# Altium PCB Hexapod_motherboard.PcbDoc (part 1 of 2) (continued)
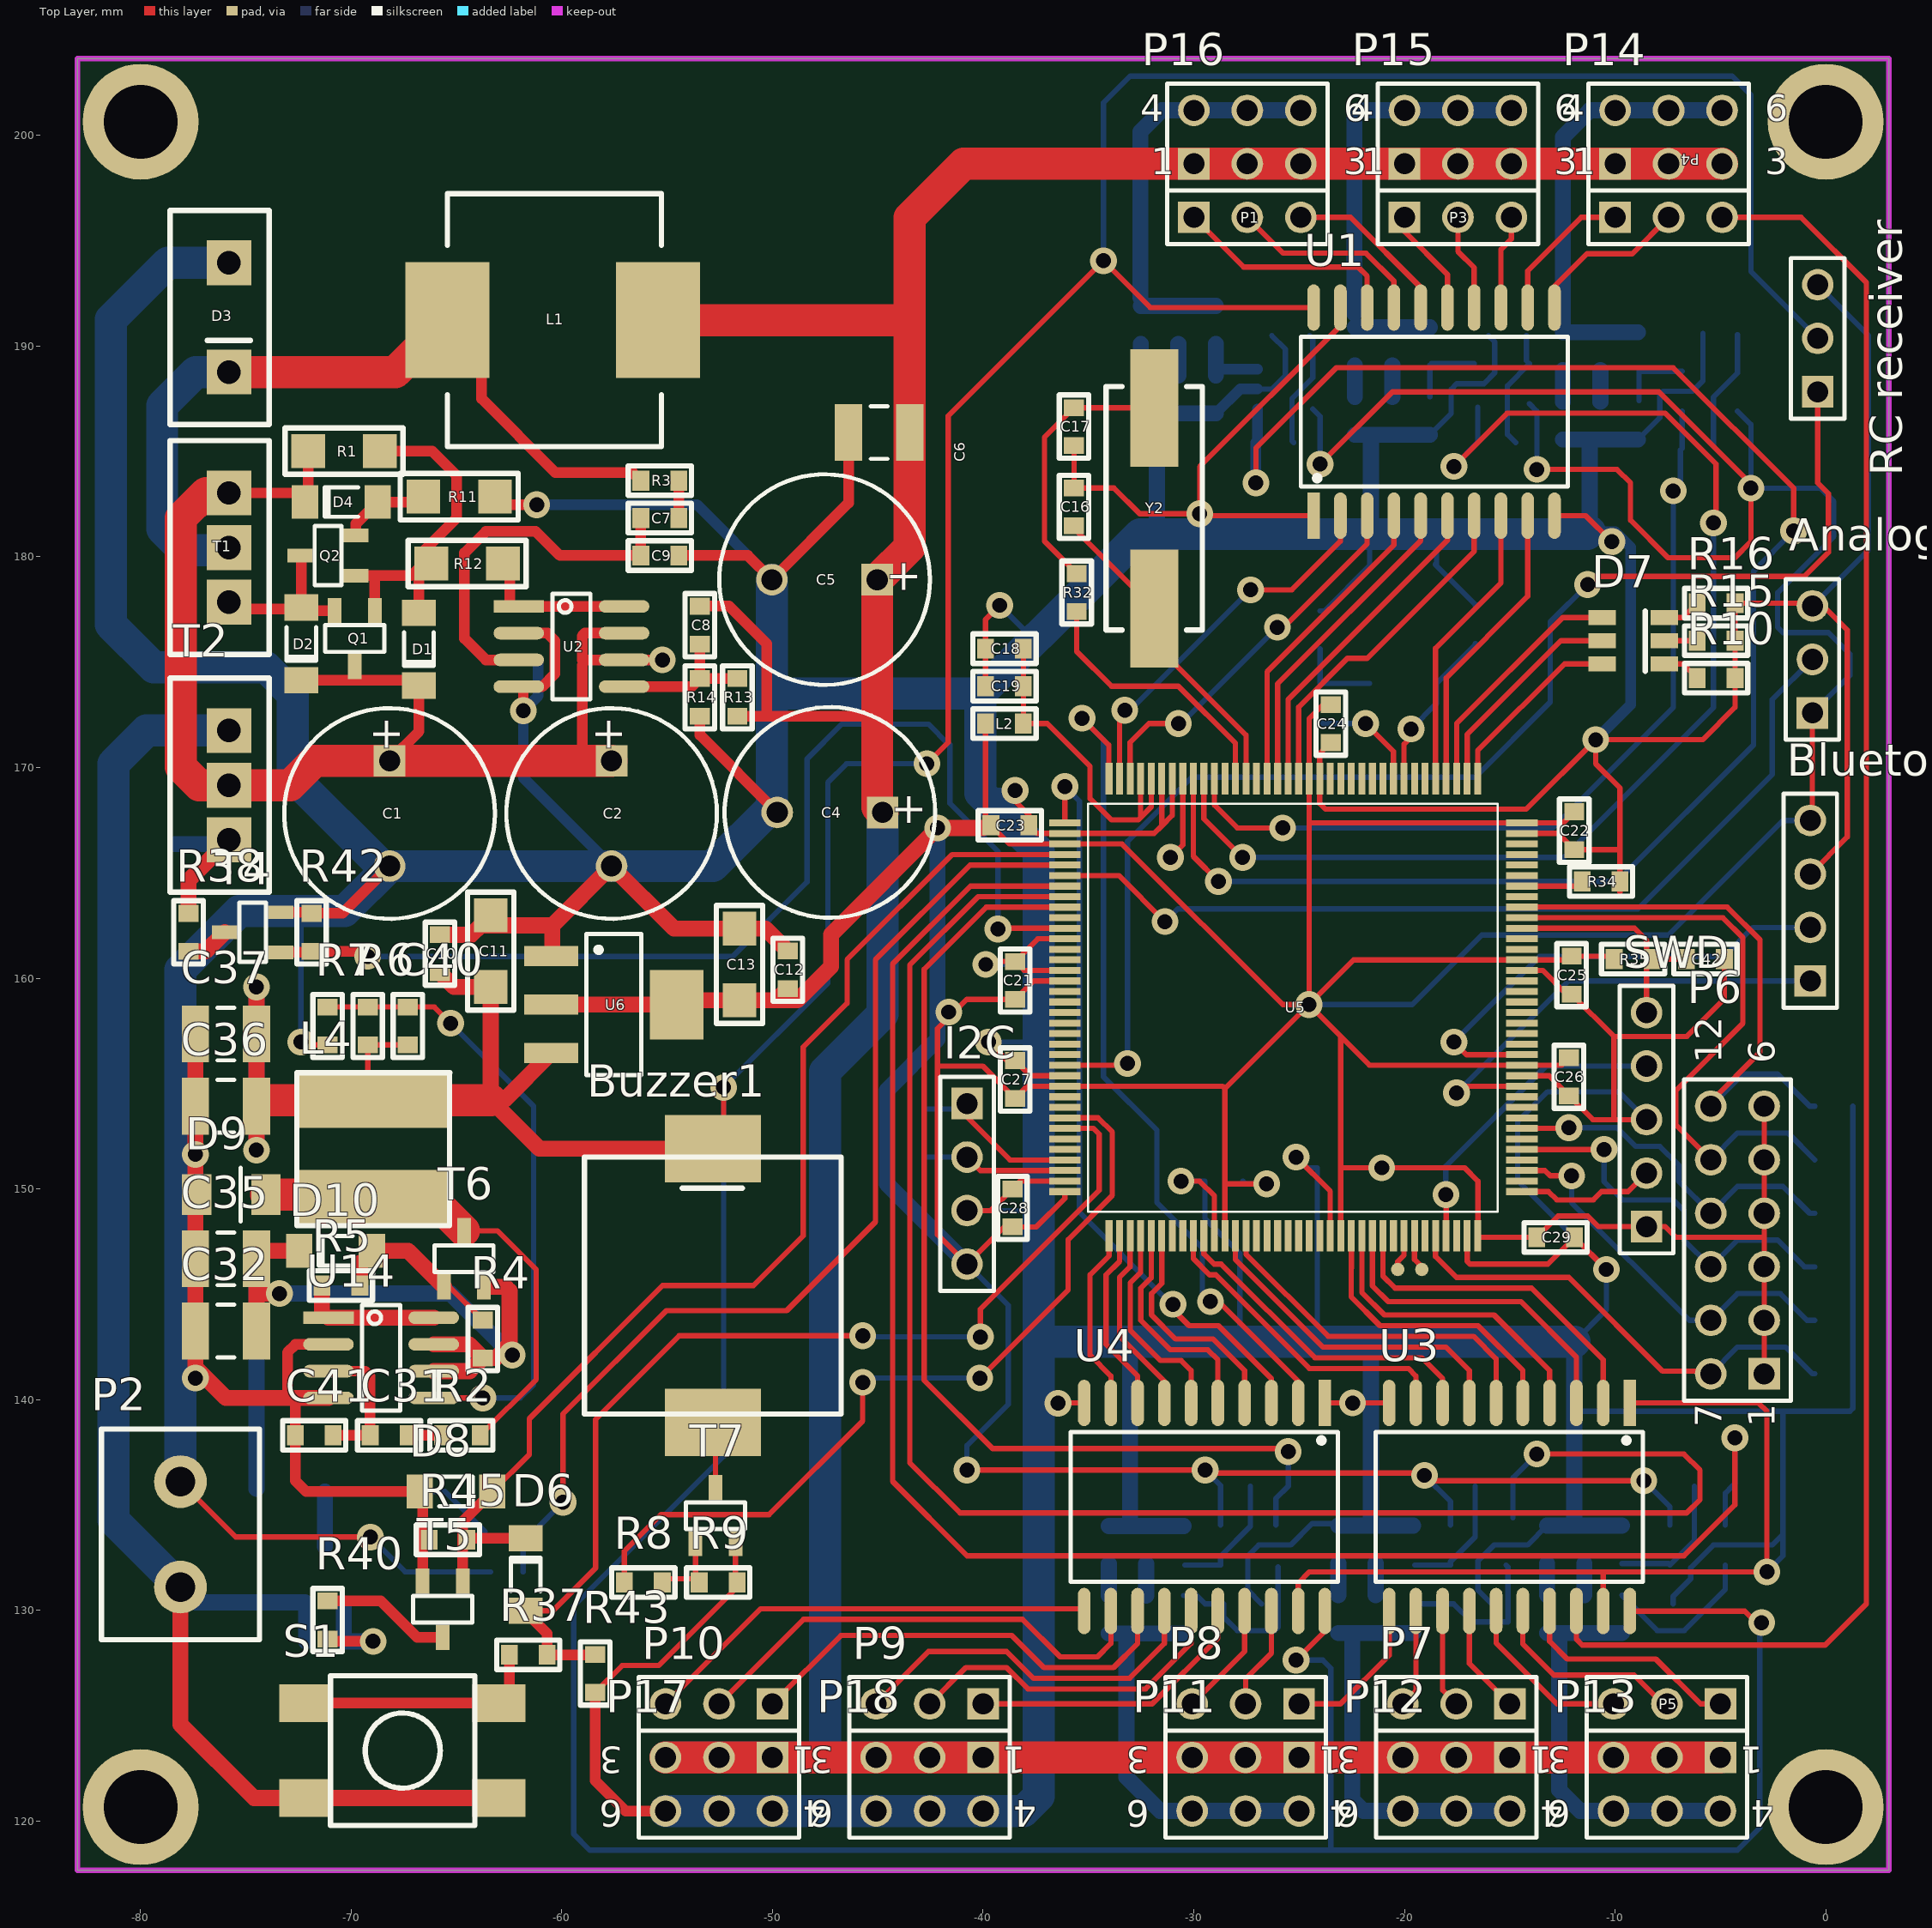
[diagram p0: Top Layer view]
## Components (designator, comment, footprint, x,y, rotation, side; value= is the part's Value field where it differs from the comment)
Analog "Header 3" HDR1X3 -0.635,172.593 r90 top
Bluetooth1 "Header 4" HDR1X4 -0.739,159.869 r90 top
Buzzer1 "Buzzer" "SMD Buzzer" -52.832,145.415 r0 top
C1 "1000uF" cap_10x12 -68.179,167.87 r180 top
C2 "1000uF" cap_10x12 -57.638,167.87 r180 top
C3 "22uF" FP_1210_CAP_N -59.67,175.109 r0 bottom
C4 "1000uF" cap_10x12 -47.224,167.87 r90 top
C5 "1000uF" cap_10x12 -47.478,178.919 r90 top
C6 "22uF" FP_1210_CAP_N -44.938,185.904 r0 top
C7 "100pF" FP_0603_CAP_080 -55.352,181.84 r180 top
C8 "4n7" FP_0603_CAP_080 -53.447,176.76 r90 top
C9 "470pF" FP_0603_CAP_080 -55.352,180.062 r0 top
C10 "100nF" FP_0603_CAP_080 -65.786,161.163 r270 top
C11 "10uF" FP_1206_CAP_085 -63.373,161.29 r90 top
C12 "100nF" FP_0603_CAP_080 -49.276,160.401 r90 top
C13 "10uF" FP_1206_CAP_085 -51.562,160.655 r270 top
C14 "12p" FP_0603_CAP_080 -16.637,176.784 r270 bottom
C15 "12p" FP_0603_CAP_080 -24.003,176.53 r270 bottom
C16 "22p" FP_0603_CAP_080 -35.687,182.372 r270 top
C17 "22p" FP_0603_CAP_080 -35.687,186.182 r90 top
C18 "10n" FP_0603_CAP_080 -38.989,175.641 r0 top
C19 "1u 6V" FP_0603_CAP_080 -38.989,173.863 r0 top
C20 "1uF" FP_0603_CAP_080 -28.575,150.368 r0 bottom
C21 "1uF" FP_0603_CAP_080 -38.481,159.893 r270 top
C22 "1uF" FP_0603_CAP_080 -11.938,167.005 r90 top
C23 "1uF" FP_0603_CAP_080 -38.735,167.259 r180 top
C24 "1uF" FP_0603_CAP_080 -23.495,172.085 r90 top
C25 "1uF" FP_0603_CAP_080 -12.065,160.147 r90 top
C26 "1uF" FP_0603_CAP_080 -12.192,155.321 r90 top
C27 "1uF" FP_0603_CAP_080 -38.481,155.194 r270 top
C28 "1uF" FP_0603_CAP_080 -38.608,149.098 r270 top
C29 "1uF" FP_0603_CAP_080 -12.827,147.701 r180 top
C30 "1uF" FP_0603_CAP_080 -23.241,151.003 r0 bottom
C31 "100pF" FP_0603_CAP_080 -68.199,138.303 r180 top
C32 "22uF" C1210_N -75.946,143.256 r0 top
C33 "22uF" C1210_N -75.946,143.256 r0 bottom
C34 "22uF" C1210_N -75.946,146.685 r0 bottom
C35 "22uF" C1210_N -75.946,146.685 r0 top
C36 "22uF" C1210_N -75.946,153.924 r0 top
C37 "22uF" C1210_N -75.946,157.353 r0 top
C38 "22uF" C1210_N -75.946,157.353 r0 bottom
C39 "22uF" C1210_N -75.946,153.924 r0 bottom
C40 "4n7" FP_0603_CAP_080 -67.31,157.734 r270 top
C41 "470pF" FP_0603_CAP_080 -71.755,138.303 r180 top
C42 "100nF" FP_0603_CAP_080 -5.715,160.909 r0 top
C46 "100nF" FP_0603_CAP_080 -27.686,130.307 r180 bottom
C47 "100nF" FP_0603_CAP_080 -6.35,130.307 r0 bottom
C48 "100nF" FP_0603_CAP_080 -28.956,187.711 r90 bottom
C49 "100nF" FP_0603_CAP_080 -16.764,130.307 r180 bottom
C50 "100nF" FP_0603_CAP_080 -8.918,186.463 r90 bottom
C51 "100nF" FP_0603_CAP_080 -18.796,186.695 r90 bottom
D1 "18V" SOD-80 -66.782,175.744 r180 top
D2 "18V" SOD-80 -72.37,175.998 r180 top
D3 "SCHOTTKY" DIODE_TO220 -75.799,191.365 r90 top
D4 "18V" SOD-80 -70.338,182.602 r90 top
D5 "SS26L" subsma -72.771,135.763 r270 bottom
D6 "LL4148" SOD-80 -61.722,131.572 r0 top
D7 "LED_RGB_6_PIN" LED_PLCC-6 -9.144,176.022 r0 top
D8 "ZENER 3V3" sod-80 -65.151,135.636 r270 top
D9 "SS26L" subsma -75.692,149.733 r270 top
D10 "18V" SOD-80 -70.612,147.066 r90 top
I2C "Header 4" HDR1X4 -40.767,154.051 r270 top
L1 "100uH" SRR1206_T -60.432,191.238 r0 top
L2 "fbead" FP_0603_IND -38.989,172.085 r0 top
L4 "470uH" INDUCTOR_6,6X6,6mm -68.961,151.892 r180 top
P1 "Header 3" HDR1X3 -30,196.115 r0 top locked
P2 "Header 2" "Sorkapocs 2P 5mm" -78.105,133.604 r90 top
P3 "Header 3" HDR1X3 -20,196.115 r0 top locked
P4 "Header 3" HDR1X3 -10,196.115 r0 top locked
P5 "Header 3" HDR1X3 -5,125.557 r180 top locked
P6 "Header 6X2A" HDR2X6_CEN -2.921,141.224 r90 top
P7 "Header 3" HDR1X3 -15,125.557 r180 top locked
P8 "Header 3" HDR1X3 -25,125.557 r180 top locked
P9 "Header 3" HDR1X3 -40,125.557 r180 top locked
P10 "Header 3" HDR1X3 -50,125.557 r180 top locked
P11 "Header 3X2A" HDR2X3_CEN -25,123.017 r180 top locked
P12 "Header 3X2A" HDR2X3_CEN -15,123.017 r180 top locked
P13 "Header 3X2A" HDR2X3_CEN -5,123.017 r180 top locked
P14 "Header 3X2A" HDR2X3_CEN -10,198.655 r0 top locked
P15 "Header 3X2A" HDR2X3_CEN -20,198.655 r0 top locked
P16 "Header 3X2A" HDR2X3_CEN -30,198.655 r0 top locked
P17 "Header 3X2A" HDR2X3_CEN -50,123.017 r180 top locked
P18 "Header 3X2A" HDR2X3_CEN -40,123.017 r180 top locked
Q1 "NPN" TR_SOT23 -69.83,176.125 r90 top
Q2 "PNP" TR_SOT23 -71.1,180.062 r0 top
R1 "1k" FP_1206_RES -70.338,185.015 r180 top
R2 "150k" FP_0603_RES -64.77,138.303 r180 top
R3 "150k" FP_0603_RES -55.352,183.618 r0 top
R4 "1k" FP_0603_RES -63.754,142.875 r270 top
R5 "100R" FP_0603_RES -70.485,145.415 r0 top
R6 "3k6" FP_0603_RES -69.215,157.734 r270 top
R7 "1k2" FP_0603_RES -71.12,157.734 r90 top
R8 "1k" FP_0603_RES -56.134,131.318 r0 top
R9 "100k" FP_0603_RES -52.578,131.318 r180 top
R10 "1k" FP_0603_RES -5.207,174.244 r0 top
R11 "220R" FP_1206_RES -64.877,182.856 r180 top
R12 "100R" FP_1206_RES -64.496,179.681 r180 top
R13 "3k6" FP_0603_RES -51.669,173.331 r270 top
R14 "1k2" FP_0603_RES -53.447,173.331 r90 top
R15 "1k" FP_0603_RES -5.207,176.022 r0 top
R16 "1k" FP_0603_RES -5.207,177.8 r0 top
R17 "10k" FP_0603_RES 0.37,141.224 r0 bottom
R18 "10k" FP_0603_RES 0.37,143.764 r0 bottom
R19 "10k" FP_0603_RES 0.37,146.304 r0 bottom
R20 "10k" FP_0603_RES 0.37,148.844 r0 bottom
R21 "10k" FP_0603_RES 0.37,151.384 r0 bottom
R22 "10k" FP_0603_RES 0.381,153.924 r0 bottom
R23 "10k" FP_0603_RES -43.688,151.511 r180 bottom
R24 "10k" FP_0603_RES -43.688,153.797 r180 bottom
R31 "390R" FP_0603_RES -24.003,173.101 r90 bottom
R32 "390R" FP_0603_RES -35.56,178.308 r90 top
R34 "10k" FP_0603_RES -10.668,164.592 r0 top
R35 "10k" FP_0603_RES -9.144,160.909 r180 top
R36 "100k" FP_0603_RES -79.248,166.37 r180 bottom
R37 "10k" FP_0603_RES -61.595,127.889 r0 top
R38 "1k" FP_0603_RES -77.724,162.179 r90 top
R39 "100k" FP_0603_RES -71.247,128.524 r180 bottom
R40 "1k" FP_0603_RES -71.12,129.54 r90 top
R41 "10k" FP_0603_RES -62.738,133.731 r0 bottom
R42 "100k" FP_0603_RES -71.882,162.179 r270 top
R43 "100k" FP_0603_RES -58.42,127 r270 top
R44 "10k" FP_0603_RES -62.738,131.826 r180 bottom
R45 "100k" FP_0603_RES -65.405,133.35 r0 top
R46 "0.1R" FP_0603_RES -34.036,129.799 r270 bottom
R47 "0.1R" FP_0603_RES -32.258,129.799 r270 bottom
R48 "0.1R" FP_0603_RES -11.458,129.821 r270 bottom
R49 "0.1R" FP_0603_RES -13.236,129.821 r270 bottom
R50 "0.1R" FP_0603_RES -32.512,191.013 r90 bottom
R51 "0.1R" FP_0603_RES -30.734,191.013 r90 bottom
R52 "1k" FP_0603_RES -30.48,129.799 r270 bottom
R53 "0.1R" FP_0603_RES -34.036,133.101 r270 bottom
R54 "0.1R" FP_0603_RES -32.258,133.101 r270 bottom
R55 "1k" FP_0603_RES -28.956,191.013 r90 bottom
R56 "0.1R" FP_0603_RES -11.458,133.123 r270 bottom
R57 "0.1R" FP_0603_RES -13.236,133.123 r270 bottom
R58 "1k" FP_0603_RES -9.68,129.821 r270 bottom
R59 "0.1R" FP_0603_RES -32.512,187.711 r90 bottom
R60 "0.1R" FP_0603_RES -30.734,187.711 r90 bottom
R61 "4k" FP_0603_RES -26.416,135.895 r0 bottom
R62 "1k" FP_0603_RES -30.48,133.101 r270 bottom
R63 "4k" FP_0603_RES -5.334,135.895 r0 bottom
R64 "4k" FP_0603_RES -26.416,185.425 r180 bottom
R65 "1k" FP_0603_RES -9.68,133.123 r270 bottom
R66 "1k" FP_0603_RES -25.4,190.505 r0 bottom
R67 "0.1R" FP_0603_RES -23.142,129.821 r270 bottom
R68 "0.1R" FP_0603_RES -21.364,129.821 r270 bottom
R69 "0.1R" FP_0603_RES -10.696,189.765 r90 bottom
R70 "0.1R" FP_0603_RES -12.474,189.765 r90 bottom
R71 "0.1R" FP_0603_RES -20.574,189.997 r90 bottom
R72 "0.1R" FP_0603_RES -22.352,189.997 r90 bottom
R73 "1k" FP_0603_RES -19.586,129.821 r270 bottom
R74 "1k" FP_0603_RES -8.918,189.765 r90 bottom
R75 "1k" FP_0603_RES -18.796,189.997 r90 bottom
R76 "0.1R" FP_0603_RES -23.142,133.123 r270 bottom
R77 "0.1R" FP_0603_RES -21.364,133.123 r270 bottom
R78 "0.1R" FP_0603_RES -10.696,186.463 r90 bottom
R79 "0.1R" FP_0603_RES -12.474,186.463 r90 bottom
R80 "0.1R" FP_0603_RES -20.574,186.695 r90 bottom
R81 "0.1R" FP_0603_RES -22.352,186.695 r90 bottom
R82 "4k" FP_0603_RES -15.748,135.895 r0 bottom
R83 "4k" FP_0603_RES -5.997,185.066 r180 bottom
R84 "4k" FP_0603_RES -15.748,185.679 r180 bottom
R85 "1k" FP_0603_RES -19.586,133.123 r270 bottom
R86 "1k" FP_0603_RES -4.981,190.654 r0 bottom
R87 "1k" FP_0603_RES -15.113,190.505 r0 bottom
"RC receiver" "Header 3" HDR1X3 -0.381,187.833 r90 top
S1 "Button" "BUTTON_6X6 _SMD" -67.564,123.317 r180 top
SWD "Header 5" HDR1X5 -8.509,148.209 r90 top
T1 "IRF4905" FET_TO220 -75.799,180.443 r90 top
T2 "IRF4905" FET_TO220 -75.799,169.164 r90 top
T3 "IRLML2244" FET_SOT23 -71.247,131.699 r270 bottom
T4 "NMOS" FET_SOT23 -74.676,162.179 r0 top
T5 "NMOS" FET_SOT23 -65.659,130.048 r90 top
T6 "IRLML2244" FET_SOT23 -64.643,146.685 r270 top
T7 "NMOS" FET_SOT23 -52.705,134.493 r270 top
U1 "74HC541" DIGITAL_SOIC20W -18.595,186.895 r180 top
U2 "MC34063A" FP_SO8_MS012AA -59.543,175.744 r0 top
U3 "74HC541" DIGITAL_SOIC20W -15.014,134.901 r0 top
U4 "74HC541" DIGITAL_SOIC20W -29.492,134.901 r0 top
U5 "STM32F103Z*" LQFP144 -25.273,158.623 r180 top
U6 "LD1117xx" SUPPLY_SOT223 -57.531,158.75 r0 top
U8 "MCP6001R" ANALOG_SOT23-5 -27.432,133.101 r180 bottom
U9 "MCP6001R" ANALOG_SOT23-5 -6.096,133.101 r180 bottom
U10 "MCP6001R" ANALOG_SOT23-5 -25.654,187.965 r0 bottom
U11 "MCP6001R" ANALOG_SOT23-5 -16.51,133.101 r180 bottom
U12 "MCP6001R" ANALOG_SOT23-5 -5.489,187.86 r0 bottom
U13 "MCP6001R" ANALOG_SOT23-5 -15.367,188.219 r0 bottom
U14 "MC34063A" FP_SO8_MS012AA -68.58,141.986 r0 top
Y1 "Quartz 32.768 kHz" XTAL_ABS25 -20.066,176.784 r90 bottom
Y2 "8MHz Quartz HC49" FP_CRYSTAL_HC49_SMD -31.877,187.071 r270 top

## Footprints (in the part's own frame and the unit in brackets; to place one, negate y for a bottom-side part, rotate by r counter-clockwise, add the part's x,y. Pads: shape width x height; smd on the part's side, far side on the other; paste and mask are expansions set on the pad)
ANALOG_SOT23-5 [mm] "SOT23, 5-Leads, Body 2.9x1.6mm, Pitch 0.95mm, Lead Span 2.8mm, IPC Medium Density"
  rect 1.2x0.55 smd mask+0.05: 1(-1.327,0.95) 2(-1.327,0) 3(-1.327,-0.95) 4(1.3,-0.95) 5(1.3,0.95)
  silkscreen extent -0.64,-1.55 0.64,1.55, body extent -1.17,-1.46 1.17,1.46, height 1
"BUTTON_6X6 _SMD" [mil]
  rect 100x70 smd: 1(-180,87.57) 1(180,87.57) 2(-180,-89.59) 2(180,-89.59)
  silkscreen extent -135,-141 135,139, body extent -160,-118 160,118, height 197
C1210_N [mm] "Chip Capacitor, Body 3.2x2.5mm, IPC Medium Density"
  rect 1.3x2.7 smd: 1(-1.45,0) 2(1.45,0)
  silkscreen extent -0.4,-1.25 0.4,1.25, body extent -1.7,-1.35 1.7,1.35, height 1.5
cap_10x12 [mm] "height: any, dia:10 RM5.0"
  round 1.5 hole 1: N(0,2.551)
  rect 1.5x1.5 hole 1: P(0,-2.449)
  silkscreen extent -5,-4.95 5,5.05, body extent -5.06,-5.04 5.06,5.08, height 12.7
DIGITAL_SOIC20W [mm]
  rect 0.6x2.2 smd: 1(5.715,4.94)
  oval 0.6x2.2 smd: 2(4.445,4.94) 3(3.175,4.94) 4(1.905,4.94) 5(0.635,4.94) 6(-0.635,4.94) 7(-1.905,4.94) 8(-3.175,4.94) 9(-4.445,4.94) 10(-5.715,4.94) 11(-5.715,-4.94) 12(-4.445,-4.94) 13(-3.175,-4.94) 14(-1.905,-4.94) 15(-0.635,-4.94) 16(0.635,-4.94) 17(1.905,-4.94) 18(3.175,-4.94) 19(4.445,-4.94) 20(5.715,-4.94)
  silkscreen extent -6.35,-3.56 6.32,3.56, body extent -6.4,-5.15 6.4,5.15, height 2.7
DIODE_TO220 [mil]
  rect 84x84 hole 44: A(102,0) K(-102,0)
  silkscreen extent -200,-75 200,110, body extent -200,-70 210,107, height 1000
FET_SOT23 [mm] "SOT23-3 tok"
  rect 1.2x0.65 smd: D(-1.327,0) G(1.327,-0.95) S(1.327,0.95)
  silkscreen extent -0.64,-1.4 0.64,1.4, body extent -1.27,-1.46 1.27,1.46, height 0.97
FET_TO220 [mil]
  rect 84x84 hole 44: D(0,0) G(-102,0) S(102,0)
  silkscreen extent -200,-75 200,110, body extent -200,-70 210,107, height 1000
FP_0603_CAP_080 [mm] "0.8mm magas 0603 kapacitás"
  rect 0.8x0.95 smd: 1(-0.9,0) 2(0.9,0)
  silkscreen extent -1.5,-0.7 1.5,0.7, body extent -0.8,-0.4 0.76,0.4, height 0.8
FP_0603_IND [mm] "0603 power inductor"
  rect 0.8x0.95 smd: 1(-0.9,0) 2(0.9,0)
  silkscreen extent -1.5,-0.7 1.5,0.7, body extent -0.8,-0.43 0.8,0.43, height 0.48
FP_0603_RES [mm] "0603 ellenállás"
  rect 0.8x0.95 smd: 1(-0.9,0) 2(0.9,0)
  silkscreen extent -1.5,-0.7 1.5,0.7, body extent -0.8,-0.4 0.8,0.4, height 0.44
FP_1206_CAP_085 [mm] "1206 kapacitás 0.85 mm"
  rect 1.6x1.6 smd: 1(-1.7,0) 2(1.7,0)
  silkscreen extent -2.8,-1.1 2.8,1.1, body extent -1.52,-0.79 1.58,0.79, height 0.85
FP_1206_RES [mm] "1206 ellenállás"
  rect 1.6x1.6 smd: 1(-1.7,0) 2(1.7,0)
  silkscreen extent -2.8,-1.1 2.8,1.1, body extent -1.6,-0.8 1.6,0.8, height 0.62
FP_1210_CAP_N [mm] "Chip Capacitor, Body 3.2x2.5mm, IPC Medium Density"
  rect 1.3x2.7 smd: 1(-1.45,0) 2(1.45,0)
  silkscreen extent -0.4,-1.25 0.4,1.25, body extent -1.6,-1.25 1.6,1.25, height 2.5
FP_CRYSTAL_HC49_SMD [mil] "HC49/SMD"
  rect 220x90 smd: 1(0,0) 2(375,0)
  silkscreen extent -40,-90 415,90, body extent -57,-90 432,90, height 130
FP_SO8_MS012AA [mm] "SO8 JEDEC MS-012AA, Analog Devices R-8, SO8-SOT96-1, NS M08A"
  rect 2.4x0.6 smd: 1(-2.5,1.905)
  oval 2.4x0.6 smd: 2(-2.5,0.635) 3(-2.5,-0.635) 4(-2.5,-1.905) 5(2.5,-1.905) 6(2.5,-0.635) 7(2.5,0.635) 8(2.5,1.905)
  silkscreen extent -0.9,-2.5 0.9,2.5, body extent -3.03,-2.5 3.03,2.5, height 1.9
HDR1X3 [mm] "Connector; Header; 3 Position"
  rect 1.5x1.5 hole 1: 1(0,0)
  round 1.5 hole 1: 2(2.54,0) 3(5.08,0)
  silkscreen extent -1.27,-1.27 6.35,1.27
HDR1X4 [mm] "Connector; Header; 4 Position"
  rect 1.5x1.5 hole 1: 1(0,0)
  round 1.5 hole 1: 2(2.54,0) 3(5.08,0) 4(7.62,0)
  silkscreen extent -1.27,-1.27 8.89,1.27
HDR1X5 [mm] "Connector; Header; 5 Position"
  rect 1.5x1.5 hole 1: 1(0,0)
  round 1.5 hole 1: 2(2.54,0) 3(5.08,0) 4(7.62,0) 5(10.16,0)
  silkscreen extent -1.27,-1.27 11.43,1.27
HDR2X3_CEN [mm] "Connector; Header; 3x2 Position"
  rect 1.5x1.5 hole 1: 1(0,0)
  round 1.5 hole 1: 2(2.54,0) 3(5.08,0) 4(0,2.54) 5(2.54,2.54) 6(5.08,2.54)
  silkscreen extent -1.27,-1.27 6.35,3.81
HDR2X6_CEN [mm] "Connector; Header; 6x2 Position"
  rect 1.5x1.5 hole 1: 1(0,0)
  round 1.5 hole 1: 2(2.54,0) 3(5.08,0) 4(7.62,0) 5(10.16,0) 6(12.7,0) 7(0,2.54) 8(2.54,2.54) 9(5.08,2.54) 10(7.62,2.54) 11(10.16,2.54) 12(12.7,2.54)
  silkscreen extent -1.27,-1.27 13.97,3.81
INDUCTOR_6,6X6,6mm [mm] "RET-es inhuktivitás"
  rect 7.3x2.65 smd: 1(0,2.325) 2(0,-2.325)
  silkscreen extent -3.65,-3.63 3.62,3.64, body extent -3,-3 2.97,3, height 3
LED_PLCC-6 [mm]
  rect 1.3x0.7 smd: A1(-1.475,-1.1) A2(-1.475,0) A3(-1.475,1.1) K1(1.475,-1.1) K2(1.475,0) K3(1.475,1.1)
  silkscreen extent 0.57,-1.45 0.57,1.4, body extent -1.8,-1.75 1.8,1.75, height 2.01
LQFP144 [mm] "20x12"
  rect 0.33x1.5 smd mask+0.076: 1(-8.75,-10.85) 2(-8.25,-10.85) 3(-7.75,-10.85) 4(-7.25,-10.85) 5(-6.75,-10.85) 6(-6.25,-10.85) 7(-5.75,-10.85) 8(-5.25,-10.85) 9(-4.75,-10.85) 10(-4.25,-10.85) 11(-3.75,-10.85) 12(-3.25,-10.85) 13(-2.75,-10.85) 14(-2.25,-10.85) 15(-1.75,-10.85) 16(-1.25,-10.85) 17(-0.75,-10.85) 18(-0.25,-10.85) 19(0.25,-10.85) 20(0.75,-10.85) 21(1.25,-10.85) 22(1.75,-10.85) 23(2.25,-10.85) 24(2.75,-10.85) 25(3.25,-10.85) 26(3.75,-10.85) 27(4.25,-10.85) 28(4.75,-10.85) 29(5.25,-10.85) 30(5.75,-10.85) 31(6.25,-10.85) 32(6.75,-10.85) 33(7.25,-10.85) 34(7.75,-10.85) 35(8.25,-10.85) 36(8.75,-10.85) 73(8.75,10.85) 74(8.25,10.85) 75(7.75,10.85) 76(7.25,10.85) 77(6.75,10.85) 78(6.25,10.85) 79(5.75,10.85) 80(5.25,10.85) 81(4.75,10.85) 82(4.25,10.85) 83(3.75,10.85) 84(3.25,10.85) 85(2.75,10.85) 86(2.25,10.85) 87(1.75,10.85) 88(1.25,10.85) 89(0.75,10.85) 90(0.25,10.85) 91(-0.25,10.85) 92(-0.75,10.85) 93(-1.25,10.85) 94(-1.75,10.85) 95(-2.25,10.85) 96(-2.75,10.85) 97(-3.25,10.85) 98(-3.75,10.85) 99(-4.25,10.85) 100(-4.75,10.85) 101(-5.25,10.85) 102(-5.75,10.85) 103(-6.25,10.85) 104(-6.75,10.85) 105(-7.25,10.85) 106(-7.75,10.85) 107(-8.25,10.85) 108(-8.75,10.85)
  rect 1.5x0.33 smd mask+0.076: 37(10.85,-8.75) 38(10.85,-8.25) 39(10.85,-7.75) 40(10.85,-7.25) 41(10.85,-6.75) 42(10.85,-6.25) 43(10.85,-5.75) 44(10.85,-5.25) 45(10.85,-4.75) 46(10.85,-4.25) 47(10.85,-3.75) 48(10.85,-3.25) 49(10.85,-2.75) 50(10.85,-2.25) 51(10.85,-1.75) 52(10.85,-1.25) 53(10.85,-0.75) 54(10.85,-0.25) 55(10.85,0.25) 56(10.85,0.75) 57(10.85,1.25) 58(10.85,1.75) 59(10.85,2.25) 60(10.85,2.75) 61(10.85,3.25) 62(10.85,3.75) 63(10.85,4.25) 64(10.85,4.75) 65(10.85,5.25) 66(10.85,5.75) 67(10.85,6.25) 68(10.85,6.75) 69(10.85,7.25) 70(10.85,7.75) 71(10.85,8.25) 72(10.85,8.75) 109(-10.85,8.75) 110(-10.85,8.25) 111(-10.85,7.75) 112(-10.85,7.25) 113(-10.85,6.75) 114(-10.85,6.25) 115(-10.85,5.75) 116(-10.85,5.25) 117(-10.85,4.75) 118(-10.85,4.25) 119(-10.85,3.75) 120(-10.85,3.25) 121(-10.85,2.75) 122(-10.85,2.25) 123(-10.85,1.75) 124(-10.85,1.25) 125(-10.85,0.75) 126(-10.85,0.25) 127(-10.85,-0.25) 128(-10.85,-0.75) 129(-10.85,-1.25) 130(-10.85,-1.75) 131(-10.85,-2.25) 132(-10.85,-2.75) 133(-10.85,-3.25) 134(-10.85,-3.75) 135(-10.85,-4.25) 136(-10.85,-4.75) 137(-10.85,-5.25) 138(-10.85,-5.75) 139(-10.85,-6.25) 140(-10.85,-6.75) 141(-10.85,-7.25) 142(-10.85,-7.75) 143(-10.85,-8.25) 144(-10.85,-8.75)
  silkscreen extent -9.7,-9.65 9.75,9.7, body extent -11,-11 11,11, height 1.6
"SMD Buzzer" [mm] "CD-1206-SMT"
  rect 4.572x3.2 smd: 1(0,6.5) 2(0,-6.5)
  silkscreen extent -6.1,-6.1 6.1,6.1, body extent -5.95,-7.6 6,7.6, height 9
SOD-80 [mm]
  rect 1.6x1.25 smd: A(0,-1.598) K(0,1.852)
  silkscreen extent -0.7,-0.67 0.7,0.93, body extent -0.76,-1.55 0.78,1.8
sod-80 [mm]
  rect 1.6x1.25 smd: A(0,-1.598) K(0,1.852)
  silkscreen extent -0.7,-0.67 0.7,0.93, body extent -0.76,-1.55 0.78,1.8
"Sorkapocs 2P 5mm" [mm]
  round 2.5 hole 1.4: 1(-2.5,0) 2(2.5,0)
  silkscreen extent -5,-3.75 5,3.75, body extent -5,-4.5 5,4.5, height 15.2
SRR1206_T [mm] "POWER INDUCTOR"
  rect 4x5.5 smd: 1(-5,0) 2(5,0)
  silkscreen extent -5,-6 5.16,6, body extent -5.97,-5.97 6.23,6.23, height 6
subsma [mil] "nagyfesz egyeniranyito"
  rect 76x55 smd: A(0,-64.75) K(0,64.75)
  silkscreen extent -50,17 50,17, body extent -35,-73 35,73, height 53
SUPPLY_SOT223 [mm] "SOT223 package, 3 leads"
  rect 2.55x0.95 smd: 1(-2.975,2.3) 2(-2.975,0) 3(-2.975,-2.3)
  rect 2.55x3.3 smd: 2(2.975,0)
  silkscreen extent -1.3,-3.35 1.3,3.35, body extent -3.5,-3.25 3.5,3.25, height 1.65
TR_SOT23 [mm] "SOT23-3 tok"
  rect 1.2x0.65 smd: B(1.327,-0.95) C(-1.327,0) E(1.327,0.95)
  silkscreen extent -0.64,-1.4 0.64,1.4, body extent -1.27,-1.46 1.27,1.46, height 0.97
XTAL_ABS25 [mil]
  rect 50x75 smd: 1(-110,-62.5) 2(110,-62.5) 3(110,62.5) 4(-110,62.5)
  silkscreen extent -158,-75 158,75, body extent -157,-79 157,79, height 106

## Part data
Analog P1 P3 P4 P5 P7 P8 P9 P10 "RC receiver": "Header, 3-Pin"
Bluetooth1 I2C: "Header, 4-Pin"
Buzzer1: "buzzer"
C1 C2 C4 C5: library part CAP_ELECT, "Polarized Capacitor"
C3 C6 C32 C33 C34 C35 C36 C37 C38 C39: library part CAP, "Capacitor"
C7 C8 C9 C10 C11 C12 C13 C14 C15 C16 C17 C18 C19 C20 C21 C22 C23 C24 C25 C26 C27 C28 C29 C30 C31 C40 C41 C42 C46 C47 C48 C49 C50 C51: library part Cap, "Capacitor"
D1 D2 D4 D8 D10: library part ZENER, "Zener Diode"
D3: "NXP - PMEG3020EJ,115 - SCHOTTKY RECT 30V 2A SOD323F"
D5 D9: library part SCHOTTKY, "NXP - PMEG3020EJ,115 - SCHOTTKY RECT 30V 2A SOD323F"
D6: library part DIODE_big
L1 L4: library part L
L2: library part Inductor, "FBEAD"
P2: "Header, 2-Pin"
P6: "Header, 6-Pin, Dual row"
P11 P12 P13 P14 P15 P16 P17 P18: "Header, 3-Pin, Dual row"
R1 R2 R3 R4 R5 R6 R7 R8 R9 R10 R11 R12 R13 R14 R15 R16 R17 R18 R19 R20 R21 R22 R23 R24 R31 R32 R34 R35 R36 R37 R38 R39 R40 R41 R42 R43 R44 R45 R46 R47 R48 R49 R50 R51 R52 R53 R54 R55 R56 R57 R58 R59 R60 R61 R62 R63 R64 R65 R66 R67 R68 R69 R70 R71 R72 R73 R74 R75 R76 R77 R78 R79 R80 R81 R82 R83 R84 R85 R86 R87: library part Res3, "Resistor"
S1: library part SW-PB, "Switch"
SWD: "Header, 5-Pin"
T1 T2 T3 T6: library part PMOS
U1 U3 U4: "Octal buffer 3-state line driver"
U5: library part STM32F103Zxxx
U6: "LD1117xx 3,3V lin reg"
Y1: library part "XTAL_32,768khz ABS25 SMD", "XTAL_32,768khz ABS25 SMD"
Y2: library part "XTAL HC49", "Standard HC49 quartz"

## Free pads (board coordinates)
  round 0.635 smd: 0(-20.32,146.177) 0(-19.177,146.177)
  round 5.5 hole 3.5: 2(-80,120.655) 2(-80,200.655) 2(0,120.655) 2(0,200.655)

## Via types
v1: diameter 1.27, hole 0.711, Top Layer to Bottom Layer, 82 vias

## Nets (pads, with @x,y where several pads share a name; then routed paths per layer and width w, separated by ;. In a path a pad name is that pad's centre, name@x,y a point inside that pad or via, vN(x,y) a via of type N, cw(c..) or ccw(c..) an arc to the next point about the centre after c; other vN are vias at no path point)
3V3: Analog.1 Bluetooth1.4 C12.1 C13.2 C20.2 C21.2 C22.2 C23.2 C24.2 C25.2 C26.2 C27.2 C28.2 C29.2 C30.2 I2C.4 L2.1 P6.1 P6.2 P6.3 P6.4 P6.5 P6.6 R23.2 R24.2 R35.2 SWD.1 U5.17 U5.39 U5.52 U5.62 U5.72 U5.84 U5.95 U5.108 U5.121 U5.131 U5.144 U6.2 U8.5 U9.5 U10.5 U11.5 U12.5 U13.5 | length 384.3
  Top Layer w0.254: v1(-41.631,158.394) v1@-41.377,158.394 ; v1(-40.772,136.657) v1(-29.464,136.657) -29.326,136.519 -19.166,136.519 v1(-19.05,136.403) -18.796,136.149 v1(-8.636,136.149) ; L2.1@-39.889,172.085 -39.889,167.513 C23.2@-39.635,167.259 -38.749,166.373 U5.39@-36.123,166.373 -33.404,166.373 -25.781,158.75 v1(-24.536,158.75) ; U5.72@-36.123,149.873 -36.123,149.551 -37.476,148.198 C28.2@-38.608,148.198 -39,148.198 I2C.4@-40.767,146.431 -42.164,147.828 -42.164,155.829 ; U5.52@-36.123,159.873 -37.601,159.873 C21.2@-38.481,158.993 -40.778,158.993 v1@-41.377,158.394 ; U5.84@-28.523,147.773 -28.523,150.241 ; v1(-26.543,150.241) -28.523,150.241 ; v1(-24.003,184.404) -20.574,187.833 -7.918,187.833 -3.556,183.471 v1(-3.556,183.261) -3.556,180.721 -4.318,179.959 -7.493,179.959 -9.271,181.737 -9.271,183.515 -9.906,184.15 v1(-13.716,184.15) ; C24.2@-23.865,172.985 -24.523,172.327 U5.17@-24.523,169.473 -24.523,167.386 ; U5.95@-23.023,147.773 -23.023,151.003 ; U5.108@-16.51,147.778 -16.51,150.368 -17.145,151.003 v1(-21.082,151.003) -23.023,151.003 ; U5.108@-16.451,147.701 C29.2@-13.727,147.701 -12.711,148.717 -11.303,148.717 -10.795,148.209 SWD.1@-8.509,148.209 -7.62,148.209 -7.112,147.701 -2.921,147.701 ; C26.2@-12.192,156.221 -12.54,155.873 U5.121@-14.423,155.873 -21.659,155.873 -23.023,157.237 ; C22.2@-11.938,167.905 -12.47,167.373 U5.144@-14.423,167.373 -24.51,167.373 -24.523,167.386 ; R35.2@-10.182,161.047 C25.2@-12.065,161.047 -12.239,160.873 U5.131@-14.423,160.873 -22.413,160.873 v1(-24.536,158.75) ; P6.1@-2.921,141.224 P6.2@-2.921,143.764 P6.3@-2.921,146.304 -2.921,147.701 ; P6.6@-2.921,153.924 P6.5@-2.921,151.384 P6.4@-2.921,148.844 -2.921,147.701 ; Bluetooth1.4@-0.739,167.489 -0.635,167.593 Analog.1@-0.635,172.593 ; -42.164,155.829 -40.016,155.829 C27.2@-38.481,154.294 -37.902,154.873 U5.62@-36.123,154.873 -28.633,154.873 -28.523,154.763 ; -42.164,155.829 -42.164,157.607 v1@-41.377,158.394 ; -28.523,150.241 -28.523,154.763 ; -28.523,154.763 v1(-24.536,158.75) ; v1(-24.536,158.75) -24.523,158.763 -24.523,167.386 ; v1(-24.536,158.75) -23.023,157.237 ; -23.023,151.003 -23.023,157.237
  Top Layer w0.762: U6.2@-60.506,158.75 U6.2@-54.556,158.75 ; U6.2@-54.351,158.955 C13.2@-51.562,158.955 -49.822,158.955 ; C12.1@-49.276,159.501 -49.822,158.955 ; C23.2@-40.005,167.132 v1(-42.164,167.132) -47.219,162.077 -47.219,160.553 -48.817,158.955 -49.822,158.955
  Bottom Layer w0.254: v1(-40.772,136.657) -40.772,137.815 -38.811,139.776 -38.811,144.475 I2C.4@-40.767,146.431 ; v1(-29.464,136.657) -28.732,135.925 U8.5@-28.732,134.051 ; C20.2@-27.675,150.368 -27.548,150.241 v1(-26.543,150.241) ; v1(-24.536,158.75) -19.634,158.75 -16.332,162.052 -7.468,162.052 -2.03,167.489 Bluetooth1.4@-0.739,167.489 ; U10.5@-24.354,187.015 -24.003,186.664 v1(-24.003,184.404) ; C30.2@-22.341,151.003 v1(-21.082,151.003) ; v1(-19.05,136.403) -17.81,135.163 U11.5@-17.81,134.051 ; U13.5@-14.067,187.269 -13.716,186.918 v1(-13.716,184.15) ; v1(-8.636,136.149) -7.396,134.909 U9.5@-7.396,134.051 ; U12.5@-4.189,186.91 -3.556,186.277 v1(-3.556,183.261) -0.254,183.261 0.381,182.626 0.381,180.975 -2.286,178.308 -2.286,176.657 -2.032,176.403 0.127,176.403 1.143,175.387 1.143,174.371 Analog.1@-0.635,172.593
  Bottom Layer w0.762: v1(-42.164,167.132) -42.164,157.099 -44.577,154.686 -44.577,150.241 I2C.4@-40.767,146.431
5V: "RC receiver.2" Buzzer1.1 C10.2 C11.1 C36.2 C37.2 C38.2 C39.2 C40.2 L4.2 R6.2 U1.20 U3.20 U4.20 U6.3 | length 293.6
  Top Layer w0.254: L4.2@-69.215,154.471 R6.2@-69.215,156.834 C40.2@-67.31,156.834 ; Buzzer1.1@-52.832,151.915 -52.324,152.423 v1(-52.324,154.813) ; v1(-42.672,170.18) -41.656,171.196 -41.656,186.69 v1(-34.29,194.056) -32.069,191.835 U1.20@-24.31,191.835 ; v1(-25.146,127.635) -23.777,129.004 U4.20@-23.777,129.961 ; U3.20@-9.299,129.961 -3.85,129.961 -3.048,129.159 v1(-3.048,129.413)
  Top Layer w0.762: v1(-74.496,151.839) C36.2@-74.496,153.924 C37.2@-74.496,157.353 v1(-74.496,159.586) ; C10.2@-65.786,160.263 -65.113,159.59 C11.1@-63.373,159.59 -63.373,154.217 -61.071,151.915 Buzzer1.1@-52.832,151.915 ; -62.739,154.217 U6.3@-60.506,156.45
  Top Layer w1.524: C36.2@-74.203,154.217 L4.2@-68.961,154.217 -63.373,154.217
  Bottom Layer w0.254: v1(-42.672,170.18) -46.482,170.18 -47.371,169.291 -47.371,159.766 v1(-52.324,154.813) -52.324,137.312 -59.436,130.2 -59.436,119.38 -58.674,118.618 -23.495,118.618 ; v1(-34.29,194.056) -34.29,201.549 -33.02,202.819 -4.445,202.819 -3.556,201.93 -3.556,193.548 -0.381,190.373 ; v1(-25.146,127.635) -23.876,127.635 -23.495,127.254 -23.495,118.618 ; v1(-3.048,129.413) -3.131,129.33 -3.131,119.678 -4.191,118.618 -23.495,118.618
  Bottom Layer w0.762: v1(-74.496,151.839) C39.2@-74.496,153.924 C38.2@-74.496,157.353 v1(-74.496,159.586)
6V: C4.P C5.P C6.2 C8.2 L1.2 P11.1 P11.2 P11.3 P12.1 P12.2 P12.3 P13.1 P13.2 P13.3 P14.1 P14.2 P14.3 P15.1 P15.2 P15.3 P16.1 P16.2 P16.3 P17.1 P17.2 P17.3 P18.1 P18.2 P18.3 R13.2 | length 205.3
  Top Layer w0.508: C8.2@-53.447,177.66 -52.061,177.66 -50.272,175.871 -50.272,172.431 ; R13.2@-51.669,172.431 -50.272,172.431 ; -45.029,172.442 -45.04,172.431 -50.272,172.431
  Top Layer w1.524: L1.2@-55.432,191.238 -43.488,191.238 ; P17.3@-55.08,123.017 P17.2@-52.54,123.017 P17.1@-50,123.017 P18.3@-45.08,123.017 P18.2@-42.54,123.017 P18.1@-40,123.017 P11.3@-30.08,123.017 P11.2@-27.54,123.017 P11.1@-25,123.017 P12.3@-20.08,123.017 P12.2@-17.54,123.017 P12.1@-15,123.017 P13.3@-10.08,123.017 P13.2@-7.54,123.017 P13.1@-5,123.017 ; C4.P@-44.775,167.87 -45.029,168.124 -45.029,172.442 C5.P@-45.029,178.919 -43.488,180.46 C6.2@-43.488,185.904 -43.488,191.238 ; P14.3@-4.92,198.655 P14.2@-7.46,198.655 P14.1@-10,198.655 P15.3@-14.92,198.655 P15.2@-17.46,198.655 P15.1@-20,198.655 P16.3@-24.92,198.655 P16.2@-27.46,198.655 P16.1@-30,198.655 -40.922,198.655 -43.488,196.089 -43.488,191.238
  Bottom Layer w1.524: P17.3@-55.08,123.017 P17.2@-52.54,123.017 P17.1@-50,123.017 P18.3@-45.08,123.017 P18.2@-42.54,123.017 P18.1@-40,123.017 ; -47.501,123.395 -47.501,155.572 -44.775,158.298 C4.P@-44.775,167.87
A/D4: U5.29 | length 4
  Top Layer w0.254: v1(-31.115,165.735) -30.523,166.327 U5.29@-30.523,169.473
BOOT0: R34.1 U5.138 | length 2.6
  Top Layer w0.254: U5.138@-14.423,164.373 R34.1@-11.857,164.373
"BT_2 _UC": Bluetooth1.2 U5.122 | length 22.6
  Top Layer w0.254: v1(-17.653,156.972) -17.054,156.373 U5.122@-14.423,156.373
  Bottom Layer w0.254: v1(-17.653,156.972) -13.589,161.036 -4.826,161.036 -3.453,162.409 Bluetooth1.2@-0.739,162.409
BUTTON: D6.A R37.2 R43.1 U5.66 | length 49.7
  Top Layer w0.254: D6.A@-61.722,129.974 -60.424,129.974 -58.395,132.004 -58.395,139.065 -54.432,143.027 v1(-45.72,143.027) ; v1(-40.132,142.977) -40.132,144.297 -34.493,149.936 -34.493,152.603 -34.763,152.873 U5.66@-36.123,152.873
  Top Layer w0.508: D6.A@-61.722,129.974 -61.722,129.921 -60.695,128.894 R37.2@-60.695,127.889 -58.431,127.889 R43.1@-58.42,127.9
  Bottom Layer w0.254: v1(-45.72,143.027) -45.72,142.977 v1(-40.132,142.977)
BUZZER: R8.1 U5.65 | length 39.7
  Top Layer w0.254: R8.1@-57.034,131.318 -57.034,132.806 -55.296,134.544 -50.165,134.544 -45.72,138.989 v1(-45.72,140.818) ; v1(-40.157,141.021) -35.966,145.212 -35.966,147.599 -33.866,149.7 -33.866,152.694 -34.545,153.373 U5.65@-36.123,153.373
  Bottom Layer w0.254: v1(-45.72,140.818) -45.517,141.021 v1(-40.157,141.021)
DIGITAL_OUT_1: U4.4 U5.78 | length 11
  Top Layer w0.254: U5.78@-31.523,147.773 -31.523,145.515 -32.004,145.034 -32.004,144.018 -30.861,142.875 -29.083,142.875 -27.587,141.379 U4.4@-27.587,139.841
DIGITAL_OUT_2: U4.5 U5.77 | length 10.7
  Top Layer w0.254: U5.77@-32.023,147.773 -32.023,145.777 -32.512,145.288 -32.512,143.764 -31.115,142.367 -29.337,142.367 -28.857,141.887 U4.5@-28.857,139.841
DIGITAL_OUT_3: U4.6 U5.76 | length 9.9
  Top Layer w0.254: U5.76@-32.523,147.773 -32.523,146.039 -33.02,145.542 -33.02,143.303 -31.576,141.859 -30.607,141.859 -30.127,141.379 U4.6@-30.127,139.841
DIGITAL_OUT_4: U4.7 U5.75 | length 9
  Top Layer w0.254: U5.75@-33.023,147.773 -33.023,146.301 -33.528,145.796 -33.528,143.002 -31.397,140.871 U4.7@-31.397,139.841
DIGITAL_OUT_5: U4.8 U5.74 | length 8.8
  Top Layer w0.254: U5.74@-33.523,147.773 -33.523,146.563 -34.163,145.923 -34.163,142.621 -32.667,141.125 U4.8@-32.667,139.841
DIGITAL_OUT_6: U4.9 U5.73 | length 8.7
  Top Layer w0.254: U5.73@-34.023,147.773 -34.023,146.825 -34.925,145.923 -34.925,142.113 -33.937,141.125 U4.9@-33.937,139.841
ENABLE_5V: D6.K D8.K R45.2 T5.G U5.40 | length 54.7
  Top Layer w0.254: D8.K@-63.299,135.636 -61.544,137.391 -61.544,139.09 -55.22,145.415 -50.902,145.415 -48.539,147.777 -48.539,156.733 -46.457,158.815 -46.457,160.884 -41.467,165.873 U5.40@-36.123,165.873
  Top Layer w0.508: T5.G@-64.709,131.375 -64.709,134.226 D8.K@-63.299,135.636 ; R45.2@-64.431,133.424 D6.K@-61.722,133.424
ENABLE_6V: R42.2 T4.G U5.47 | length 53.4
  Top Layer w0.254: v1(-39.294,162.331) -39.252,162.373 U5.47@-36.123,162.373
  Top Layer w0.508: T4.G@-73.349,161.229 -71.932,161.229 R42.2@-71.882,161.279 -69.585,161.279 -69.215,160.909 v1(-69.215,161.036)
  Bottom Layer w0.254: v1(-69.215,161.036) -51.892,161.036 -48.362,164.567 -48.362,170.409 -46.711,172.06 -42.596,172.06 -41.631,171.094 -41.58,171.094 -41.58,168.3 -39.294,166.014 v1(-39.294,162.331)
EXT_AD: Analog.2 U5.42 | length 43.6
  Top Layer w0.254: U5.42@-36.123,164.873 -33.555,164.873 v1(-31.369,162.687)
  Bottom Layer w0.254: v1(-31.369,162.687) -30.759,163.297 -8.915,163.297 -2.54,169.672 -2.54,173.228 Analog.2@-0.635,175.133